# Allegro board Notecarrier-AE PCB v1.7.brd (continued)
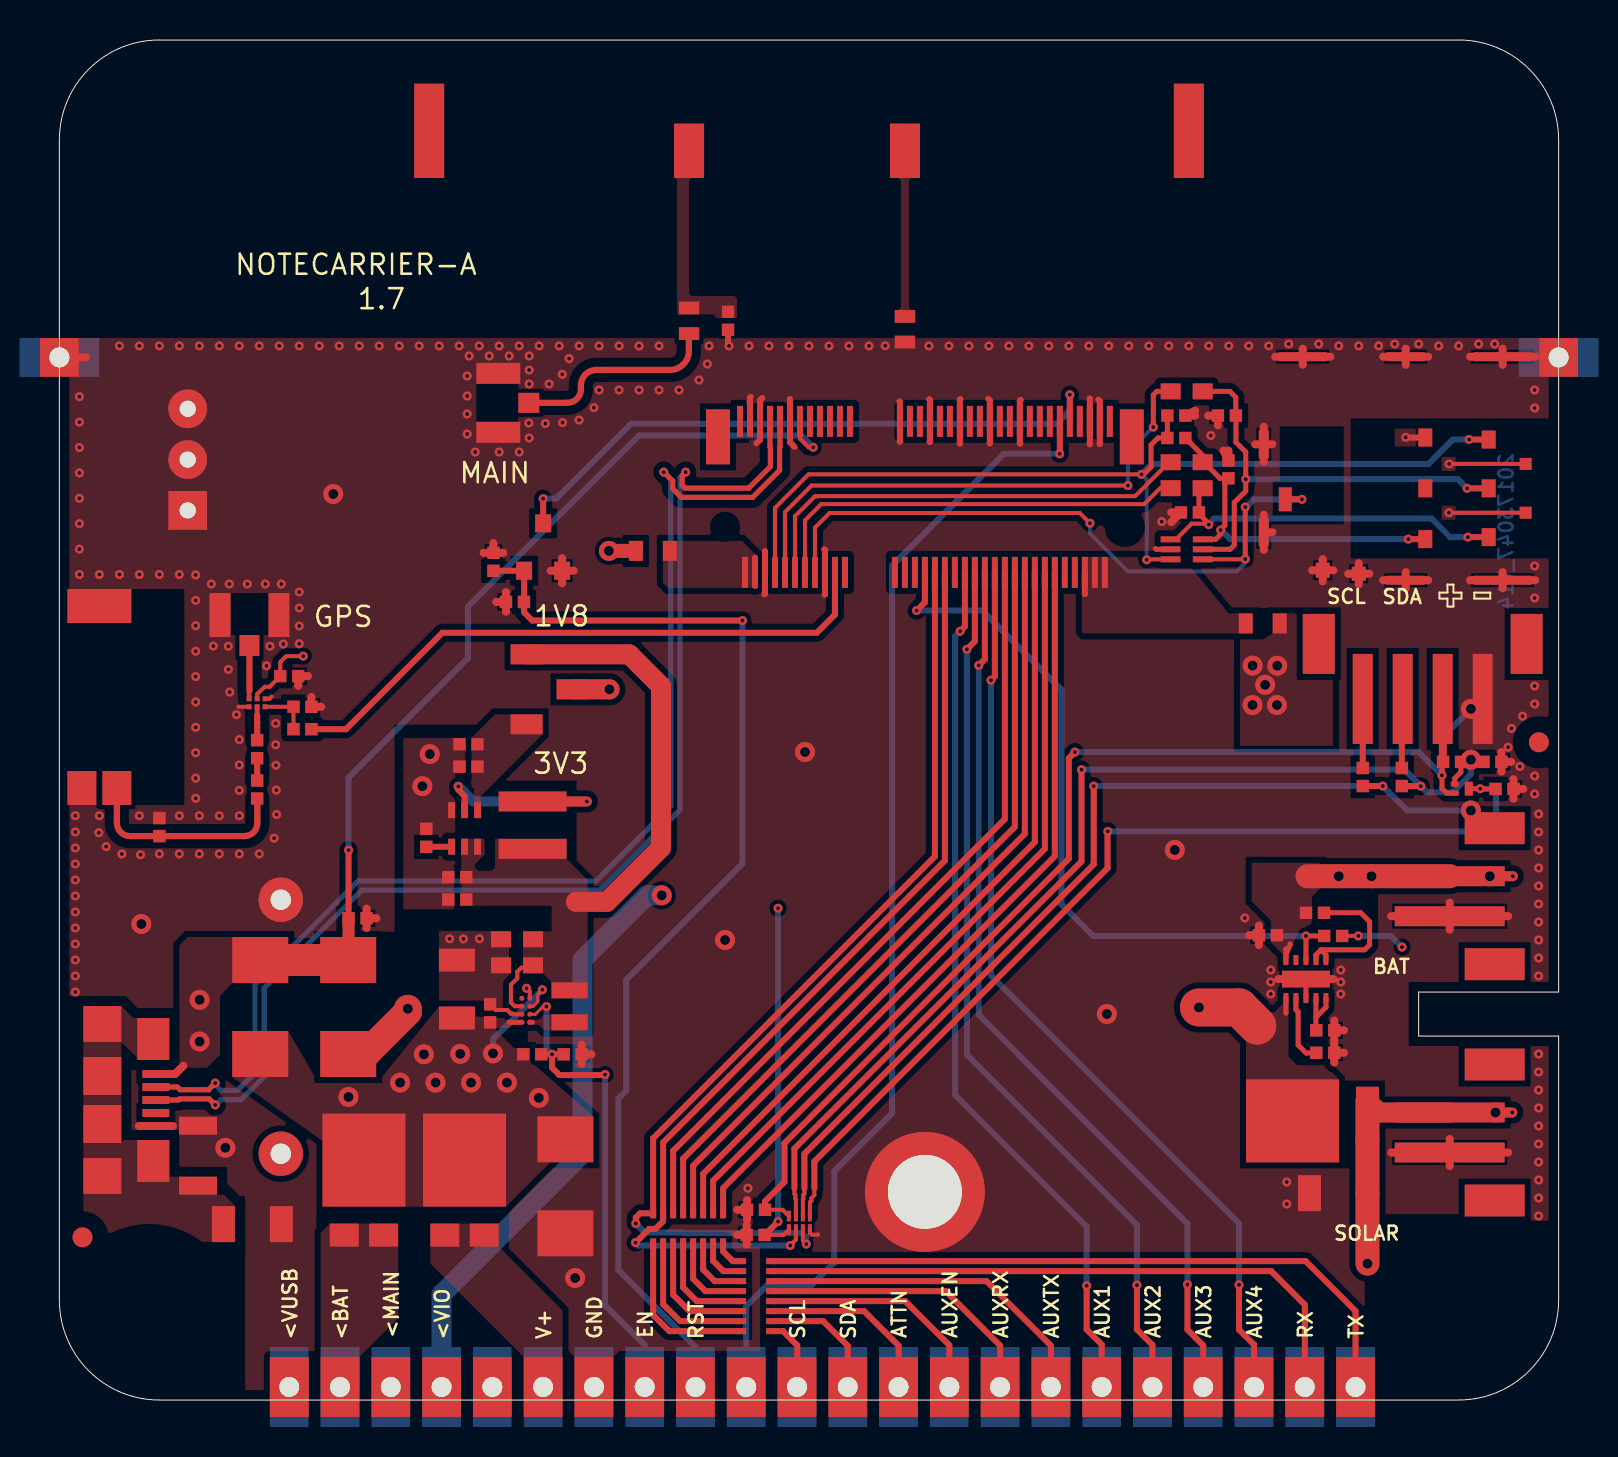
[diagram p0: board, top side]
## Library data of the parts
ANT1 = ANT - W3796 - LTE: room: LTE ANTENNA
ANT2 = ANT - W3010 - GPS-GLONASS: room: GPS ANTENNA
BAT1 = PORTA BATTERIA 3xAA - 2464: room: 3xAA BATTERY
C1 = CS-C-1206-47u/16V-X5R: room: DC-DC 1V8
C2 = CS-C-0402-4.7u/6V3-X5R: room: DC-DC 1V8
C3 C4 = CS-C-0603-10u/10V-X5R: room: DC-DC 1V8
C5 = CS-C-0402-100n/16V: room: DC-DC 1V8
C6 C9 = CS-C-0402-100n/16V: room: DC-DC 3V3
C7 C8 = CS-C-0402-10u/6V3-X5R: room: DC-DC 3V3
C10 = CS-C-0402-100n/16V: room: USB
C11 = CS-C-1206-10n/1kV: room: USB
C12 = CS-C-1206-10u/25V-X5R: room: SOLAR BATTERY CHARGER
C13 = CS-C-0402-1u/16-X5R: room: SOLAR BATTERY CHARGER
C14 C15 = CS-C-0402-100n/16V: room: GROVE
C16 = CS-C-0402-100n/16V: room: NANO-SIM
C17-C19 = CS-C-0402-33p/50V-C0G: room: NANO-SIM
C20 = CS-C-0402-0.5p/50V-C0G: room: LTE ANTENNA
C21 = CS-C-0402-1n/50V: room: GPS ANTENNA
C22 = CS-C-0402-1u/16-X5R: room: GPS ANTENNA
C23 = CS-C-0402-100n/16V: room: M2 CONNECTOR
C24 = CS-C-0402-3.3p/50V-C0G: room: GPS ANTENNA
DS2 = SCHOTTKY - FSV1045V - 10A/45V: room: INPUT
DS3 = SCHOTTKY - FSV1045V - 10A/45V: room: 3xAA BATTERY
DS4 = SCHOTTKY-STPS3H100U - 3A/100V: room: USB
DS5 = SCHOTTKY-STPS3H100U - 3A/100V: room: SOLAR BATTERY CHARGER
DS6 = SCHOTTKY - FSV1045V - 10A/45V: room: SOLAR BATTERY CHARGER
F1 = RAPIDO - SF-0603F150-2-1.5A/32V: room: M2 CONNECTOR
F2 = RAPIDO - 0603SFV350F- 3.5A/32V: room: M2 CONNECTOR
FID1 FID2 = FIDUCIAL
J1 = GROVE - J-4-0200-MDS-GROVE
J2 = USB - uUSB-B-10118192-0002LF: room: USB
J3 J4 = PH - J-2-0200-MDS-B2B-PH-SM4: room: SOLAR BATTERY CHARGER
J5 = NANOSIM - J-NANOSIM-SF72S006VBA: room: NANO-SIM
J6 = AMPHENOL-75 - M-2 KEY E_13: room: M2 CONNECTOR
J7 = UFL - U-FL-R-SMT-1-10: room: LTE ANTENNA
J8 = UFL - U-FL-R-SMT-1-10: room: GPS ANTENNA
J9 = STRIP-J-22-0254-FDT-H0508
J10 = STRIP-J-3-0254-FDT-H0508
L1 = PW-XFL4020-222ME - 2.2u/3.1A: room: DC-DC 3V3
L2 = L - 1285AS-H-2R2M=P2-2.2u/1.5A: room: DC-DC 1V8
L3 = L - 0603CS-4N3XJLW-4.3n/0.7A: room: LTE ANTENNA
L4 = L - 0603CS-6N8XJLU-6.8n/0.7A: room: LTE ANTENNA
L5 = L - LQW15AN7N5H00D - 7.5n/0.57A: room: GPS ANTENNA
OBJ1 = DISTANZIALE - M2.5x0250
PAD1 PAD2 = CASTELLATED PAD - 0100
Q1 = NMOS - AO3420 - 6A/20V: room: M2 CONNECTOR
Q2 = PMOS - BSS84AKM-315 - 0.23A/50V: room: GROVE
R1 = RS-0402-10M/5%
R4 = RS-0402-82k: room: DC-DC 3V3
R5 = RS-1206-1M: room: USB
R6 R8 R10 = RS-0402-10k: room: SOLAR BATTERY CHARGER
R9 = RS-0402-470r: room: SOLAR BATTERY CHARGER
R11 R13 = RS-0402-100r: room: GROVE
R12 R14 R15 = RS-0402-22r: room: NANO-SIM
R16 = RS-0402-15k: room: NANO-SIM
R17 R24 = RS-0402-100k: room: GROVE
R18 = RS-0402-200k
R21 = RS-0402-1k: room: M2 CONNECTOR
R22 = RS-0402-100k: room: GPS ANTENNA
R23 = RS-0402-15k: room: GROVE
RR1 RR2 = RR-8X-1506-100r/5%: room: M2 CONNECTOR
SW1 = SW-SPDT - CJS-1200TA: room: POWER SWITCH
TVS1 = TVS-UNI - SM6T6V8A - 6.8V/600W: room: INPUT
TVS2 = TVS-UNI5x - ESDLC5V0M5-TP - 5V: room: NANO-SIM
U1 = BUCK - TPS62748YFPT - 0.3A/ADJ: room: DC-DC 1V8
U2 = BOOST -  MAX17225ELT - 0.5A/ADJ: room: DC-DC 3V3
U3 = BAT-CHARGE - BQ24210DQCT: room: SOLAR BATTERY CHARGER
U4 = LEVEL SHIFTER-2x - TXS0102DQER: room: GROVE
U5 = LNA-RF - BGA725L6E6327FTSA1: room: GPS ANTENNA

## Footprints (pads in the part's own frame, mm; a bottom-side part is the same pattern mirrored in y, then rotated)
ANT-W3010
  rect 1.7x1.45 smd: 1(4.55,0.875) 2(4.55,-0.875)
  rect 1.7x3.2 smd: 3(-4.55,0)
ANT-W3796
  rect 1.5x4.72 smd: 1(1,-4.34) 4(39,-4.34)
  rect 1.5x2.72 smd: 2(14,-5.34) 3(24.8,-5.34)
BATHLD-2464-NO_MECH
  round 2.22 hole 1.02: 1(26.405,-14.925) 2(26.405,-2.225)
CS-C-0402
  rect 0.62x0.62 smd: 1(-0.45,0) 2(0.45,0)
CS-C-0603
  rect 1x0.8 smd: 1(-0.8,0) 2(0.8,0)
CS-C-1206
  rect 1.15x1.8 smd: 1(-1.5,0) 2(1.4,0)
DIST-WASMSIM0250
  round 6 hole 3.7: 1(0,0)
FIDUCIAL
  round 1 smd: 1(0,0)
FS-0603
  rect 0.7x1 smd: 1(-0.85,0) 2(0.85,0)
J-2-0200-MDS-B2B-PH-SM4
  rect 1.6x3 smd: (-5.4,2.25) (1.4,2.25)
  rect 1x5.5 smd: 1(-3,0) 2(-1,0)
J-3-0254-FDT-H0508
  rect 1.94x1.94 hole 0.81: 1(-2.54,0)
  round 1.94 hole 0.81: 2(0,0) 3(2.54,0)
J-3-MDS-UFL
  rect 1x1.05 smd: 1(0,-1.525)
  rect 1.05x2.2 smd: 2(-1.475,0) 3(1.475,0)
J-4-0200-MDS-GROVE
  rect 1.6x3 smd: (-5.2,-1.75) (5.2,-1.75)
  rect 1x4.5 smd: 1(3,1) 2(1,1) 3(-1,1) 4(-3,1)
J-5-0065-FOS-USB10118192-NOF
  rect 0.4x1.35 smd: 1(-1.3,0.125) 2(-0.65,0.125) 3(0,0.125) 4(0.65,0.125) 5(1.3,0.125)
  rect 2.1x1.6 smd: 6(-3.05,0) 7(3.05,0)
  rect 1.9x1.9 smd: 8(-1.2,-2.55) 9(1.2,-2.55)
  rect 1.8x1.9 smd: 10(-3.8,-2.55) 11(3.8,-2.55)
J-22-0254-FDT-H0508_EDGE
  rect 1.94x3 hole 1: 1(-26.67,-0.65) 2(-24.13,-0.65) 3(-21.59,-0.65) 4(-19.05,-0.65) 5(-16.51,-0.65) 6(-13.97,-0.65) 7(-11.43,-0.65) 8(-8.89,-0.65) 9(-6.35,-0.65) 10(-3.81,-0.65) 11(-1.27,-0.65) 12(1.27,-0.65) 13(3.81,-0.65) 14(6.35,-0.65) 15(8.89,-0.65) 16(11.43,-0.65) 17(13.97,-0.65) 18(16.51,-0.65) 19(19.05,-0.65) 20(21.59,-0.65) 21(24.13,-0.65) 22(26.67,-0.65)
J-75-0050-MOS-M2-E
  rect 1.2x2.75 smd: (-10.35,4.5) (10.35,4.5)
  round 0 hole 1.1 unplated: (-10,0)
  round 0 hole 1.6 unplated: (10,0)
  rect 0.3x1.55 smd: 1(-9.25,5.275) 2(-9,-2.275) 3(-8.75,5.275) 4(-8.5,-2.275) 5(-8.25,5.275) 6(-8,-2.275) 7(-7.75,5.275) 8(-7.5,-2.275) 9(-7.25,5.275) 10(-7,-2.275) 11(-6.75,5.275) 12(-6.5,-2.275) 13(-6.25,5.275) 14(-6,-2.275) 15(-5.75,5.275) 16(-5.5,-2.275) 17(-5.25,5.275) 18(-5,-2.275) 19(-4.75,5.275) 20(-4.5,-2.275) 21(-4.25,5.275) 22(-4,-2.275) 23(-3.75,5.275) 32(-1.5,-2.275) 33(-1.25,5.275) 34(-1,-2.275) 35(-0.75,5.275) 36(-0.5,-2.275) 37(-0.25,5.275) 38(0,-2.275) 39(0.25,5.275) 40(0.5,-2.275) 41(0.75,5.275) 42(1,-2.275) 43(1.25,5.275) 44(1.5,-2.275) 45(1.75,5.275) 46(2,-2.275) 47(2.25,5.275) 48(2.5,-2.275) 49(2.75,5.275) 50(3,-2.275) 51(3.25,5.275) 52(3.5,-2.275) 53(3.75,5.275) 54(4,-2.275) 55(4.25,5.275) 56(4.5,-2.275) 57(4.75,5.275) 58(5,-2.275) 59(5.25,5.275) 60(5.5,-2.275) 61(5.75,5.275) 62(6,-2.275) 63(6.25,5.275) 64(6.5,-2.275) 65(6.75,5.275) 66(7,-2.275) 67(7.25,5.275) 68(7.5,-2.275) 69(7.75,5.275) 70(8,-2.275) 71(8.25,5.275) 72(8.5,-2.275) 73(8.75,5.275) 74(9,-2.275) 75(9.25,5.275)
J-NANOSIM-SF72S006VBA
  rect 0.9x0.7 smd: 1(2.99,-10.175) 2(0.55,-10.175) 3(-1.89,-10.175) 5(3.09,-7.005) 6(0.55,-7.005) 7(-1.99,-7.005)
  rect 0.45x2.9 smd: 8(-4.045,-10.875) 17(7.13,-10.875)
  rect 0.45x1.9 smd: 9(-4.045,-6.025) 16(7.13,-6.025)
  rect 0.7x0.7 smd: 10(-3.72,-3.675)
  rect 0.75x0.7 smd: 11(-3.545,-1.875)
  rect 1.4x0.5 smd: 12(-1.65,1.075) 14(2.75,1.075)
  rect 1.2x0.65 smd: 13(0,0)
  rect 0.45x2.4 smd: 15(7.13,-0.875)
  rect 0.6x0.6 smd: 18(1.77,-12.025) 19(-0.67,-12.025)
LS-0402
  rect 0.62x0.62 smd: 1(-0.45,0) 2(0.45,0)
LS-0603CS
  rect 1.02x0.64 smd: 1(0,0.64) 2(0,-0.64)
LS-0806
  rect 0.8x1.8 smd: 1(-0.8,0) 2(0.8,0)
LS-XFL4020
  rect 1x3.4 smd: 1(-1.185,0) 2(1.185,0)
PAD-THT-CAS-0100
  rect 1.94x1.94 hole 1: 1(0,0)
RR-8X-1506
  rect 0.3x0.5 smd: 1(-1.75,-0.75) 2(-1.25,-0.75) 3(-0.75,-0.75) 4(-0.25,-0.75) 5(0.25,-0.75) 6(0.75,-0.75) 7(1.25,-0.75) 8(1.75,-0.75) 9(1.75,0.75) 10(1.25,0.75) 11(0.75,0.75) 12(0.25,0.75) 13(-0.25,0.75) 14(-0.75,0.75) 15(-1.25,0.75) 16(-1.75,0.75)
RS-0402
  rect 0.62x0.62 smd: 1(-0.45,0) 2(0.45,0)
RS-0603
  rect 1x0.8 smd: 1(-0.8,0) 2(0.8,0)
RS-1206
  rect 0.9x1.9 smd: 1(-1.5,0) 2(1.5,0)
SMB
  rect 2.3x2.8 smd: 1(0,0) 2(4.7,0)
SOT23
  rect 0.9x0.8 smd: 1(0,0) 2(0,1.9) 3(-2.37,0.95)
SOT666
  rect 0.3x0.99 smd: 1(-0.5,-0.805) 2(0,-0.805) 3(0.5,-0.805) 4(0.5,0.805) 5(0,0.805) 6(-0.5,0.805)
SW-CJS1200TA
  rect 1x1.6 smd: 1(-1.75,-1.15) 2(0,1.15) 3(1.75,-1.15)
TO277-3
  rect 1.45x1.15 smd: 1(0.985,-2.75) 2(-0.985,-2.75)
  rect 4.15x4.65 smd: 3(0,1)
UFDFN3
  rect 0.4x0.25 smd: 1(-0.35,0.225) 2(-0.35,-0.225)
  rect 0.4x0.7 smd: 3(0.35,0)
unnamed#2
  round 0 hole 3.3 unplated: (0,0)
WDFN6-0200X0200
  rect 0.8x0.35 smd: 1(-0.915,0.65) 2(-0.915,0) 3(-0.915,-0.65) 4(0.915,-0.65) 5(0.915,0) 6(0.915,0.65)
WSON10-EXP
  rect 0.5x0.25 smd: 1(-0.95,1) 2(-0.95,0.5) 3(-0.95,0) 4(-0.95,-0.5) 5(-0.95,-1) 6(0.95,-1) 7(0.95,-0.5) 8(0.95,0) 9(0.95,0.5) 10(0.95,1)
  rect 0.84x2.4 smd: 11(0,0)
XFBGA8
  round 0.25 smd: A1(0.2,-0.6) A2(-0.2,-0.6) B1(0.2,-0.2) B2(-0.2,-0.2) C1(0.2,0.2) C2(-0.2,0.2) D1(0.2,0.6) D2(-0.2,0.6)
XFDFN6
  rect 0.25x0.25 smd: 1(0.4,0.2) 2(0,0.2) 3(-0.4,0.2) 4(-0.4,-0.2) 5(0,-0.2) 6(0.4,-0.2)
XFDFN8
  rect 0.53x0.2 smd: 1(0,0) 2(0,-0.35) 3(0,-0.7) 4(0,-1.05) 5(0.67,-1.05) 6(0.67,-0.7) 7(0.67,-0.35) 8(0.67,0)

## Nets
+1V8: C3.1 C4.1 C8.1 C9.1 L1.2 L2.2 SW1.1 U1.C2 U2.5 U2.6
+3V3: C6.1 C7.1 SW1.3 U2.1
GND: ANT2.2 ANT2.3(GND#3) BAT1.2(-) C1.2 C2.2 C3.2 C4.2 C5.2 C6.2 C7.2 C8.2 C9.2 C10.2 C11.2 C12.2 C13.2 C14.2 C15.2 C16.2 C17.2 C18.2 C19.2 C20.2 C22.2 C23.2 C24.2 J1.4 J2.5 J3.2 J4.2 J5.5 J5.8 J5.9 J5.10 J5.11 J5.12 J5.14 J5.15 J5.16 J5.17 J5.18 J5.19 J6.3 J6.5 J6.6 J6.11 J6.18 J6.33 J6.39 J6.45 J6.51 J6.57 J6.71 J6.73 J7.2 J7.3 J8.2 J8.3 J9.7 J10.1 J10.2 J10.3 L4.2 OBJ1.1 PAD1.1 PAD2.1 Q1.2(S) R4.1 R5.2 R9.1 R10.1 R17.1 R21.1 R22.1 R23.1 TVS1.2 TVS2.2 U1.B2 U1.D1 U2.3 U3.3 U3.11 U4.4 U5.1 U5.4
VBAT: BAT1.1 C13.1 DS3.1 DS3.2 J4.1 J9.2 R8.2 U3.10
ATTN: J9.13 RR1.3
ATTN_P: J6.54 RR2.14
AUX1: J6.46 J9.17
AUX2: J6.48 J9.18
AUX3: J6.50 J9.19
AUX4: J6.52 J9.20
AUX5: J6.38 R6.1 U3.8
AUX_EN: J9.14 RR1.4
AUX_EN_P: J6.56 RR2.13
AUX_RX: J9.15 RR1.5
AUX_RX_P: J6.58 RR2.12
AUX_TX: J9.16 RR1.6
AUX_TX_P: J6.60 RR2.11
BOOT: J6.65 J9.10
EN: C5.1 J9.8 R1.1 U1.B1
NRST: J6.67 Q1.3
RST: C23.1 J9.9 Q1.1 R21.2
RX: J9.21 RR1.7
RX_P: J6.62 RR2.10
SCL: J9.11 RR1.1
SCL_G: J1.1 R13.2
SCL_P: J6.40 RR2.16 U4.3
SDA: J9.12 RR1.2
SDA_G: J1.2 R11.2
SDA_P: J6.42 RR2.15 U4.2
SIM_CLK: J6.14 R14.1
SIM_IO: J6.12 R12.1
SIM_NPRESENT: J5.13 J6.16 TVS2.4
SIM_RST: J6.10 R15.1
SIM_VCC: C16.1 J5.1 J6.8 R16.2 TVS2.3
TX: J9.22 RR1.8
TX_P: J6.64 RR2.9
USB_DM: J2.2 J6.9
USB_DP: J2.3 J6.7
USB_SHIELD: C11.1 J2.6 J2.7 J2.8 J2.9 J2.10 J2.11 R5.1
V+: DS2.1 DS2.2 J9.6
V_GROVE: C15.1 J1.3 Q2.2(S) R24.2 U4.8(VCCB)
VACT_GPS_OUT: J6.20 R18.2
VIO: C14.1 C22.1 F1.1 J9.4 R6.2 SW1.2 U4.1 U5.2(VCC)
VIO_P: F1.2 J6.2 J6.4
VMAIN: C1.1 C2.1 DS2.3(C) DS3.3(C) DS4.1(C) F2.1 J9.3 R1.2 TVS1.1(C) U1.A2 U1.C1(VSEL)
VMODEM_P: F2.2 J6.70 J6.72 J6.74
VSOLAR: C12.1 DS6.1 DS6.2 J3.1 J9.5
VUSB: C10.1 DS4.2 DS5.2 J2.1(VCC) J6.13(VUSB) J9.1
N16805399: J7.1 L3.1(C)
N16805402: ANT1.2 C20.1 L3.2
N16805626: ANT1.3 L4.1(C)
N16810299: ANT2.1 C21.2 C24.1
N16811696: C21.1 L5.2
N16811747: J8.1 U5.3
N16813049: L5.1(C) U5.5
N16816781: R18.1 R22.2 U5.6
N16924472: RR1.16 RR2.1
N16924474: RR1.15 RR2.2
N16924476: RR1.14 RR2.3
N16924478: RR1.13 RR2.4
N16924480: RR1.12 RR2.5
N16924482: RR1.11 RR2.6
N16924484: RR1.10 RR2.7
N16924486: RR1.9 RR2.8
N17010587: R13.1 U4.6
N17010598: R11.1 U4.7
N17096523: C19.1 J5.7 R12.2 R16.1 TVS2.6(C6)
N17096527: C17.1 J5.2 R15.2 TVS2.5
N17096550: C18.1 J5.3 R14.2 TVS2.1
N17177038: Q2.3 R17.2 U4.5
N17180171: L1.1 U2.2
N17180221: L2.1(C) U1.A1
N17180308: R4.2 U2.4(SEL)
N17197331: Q2.1 R23.2 R24.1
N17244572: DS5.1(C) DS6.3(C) U3.1
N17244690: R9.2 U3.2
N17244706: R10.2 U3.4(VTSB) U3.5
N17244710: R8.1 U3.6 U3.7

Pads without a net: ANT1 1 4; FID1 1; FID2 1; J2 4; J5 6; J6 1 15 17 19 21 22 23 32 34 35 36 37 41 43 44 47 49 53 55 59 61 63 66 68 69 75; U1 D2; U3 9

## Via types
v1: diameter 1, hole 0.5, TOP to BOTTOM, 39 vias
v2: diameter 0.45, hole 0.2, TOP to BOTTOM, 284 vias

## Routing (per net, layer and track width the routed paths; a pad name or vN(x,y) marks a point on that pad's centre or on a via; arc(x,y) is an arc through that point)
+1V8: length 24
  TOP w0.2: C3.1 23.57,21.61 23.11,21.61 22.91,21.41 22.91,21.08 22.59,20.77 22.59,19.88 22.78,19.69 U1.C2
  TOP w1: SW1.1 28.51,37.28 30.09,35.7 30.09,27.61 27.39,24.91 25.84,24.91
GND: length 113.6
  TOP w0.2: C2.2 21.83,19.5 22.4,19.5 22.59,19.32 22.68,19.32 22.72,19.29 U1.B2 ; 10.62,35.17 10.51,35.06 U5.1 ; U1.D1 23.53,20.42 v2(23.37,20.59) ; 8.96,34.67 8.97,34.66 U5.4 ; 69.5,44.36 v2(69.51,44.36) J5.19 ; J5.18 69.52,46.8 v2(69.52,46.81) ; U4.4 37.55,8.36 37.65,8.26 37.93,8.26 37.95,8.27
  TOP w0.25: TVS2.2 54.87,42.53 54.84,42.57 ; U3.3 U3.11
  TOP w0.3: v2(67.35,48.13) 67.36,48.12 J5.5 ; 42.03,47.91 42.05,47.93 J6.33 42.05,49.91 42.02,49.93 ; 34.55,49.89 34.55,50.12 34.59,50.16 ; 34.55,49.89 J6.3 ; 34.55,49.89 34.52,49.92 ; 43.51,50.04 43.55,50.01 J6.39 43.55,47.91 43.54,47.9 ; 46.55,47.83 46.55,47.84 J6.51 46.55,49.98 46.47,50.06 ; 51.97,50.02 52.05,49.95 J6.73 52.05,47.8 52.04,47.79 ; 45.08,50.04 45.05,50.02 J6.45 45.05,47.83 45.04,47.82 ; 51.55,50.07 51.55,50.07 J6.71 51.55,47.79 51.55,47.78 ; 38.29,40.27 38.3,40.28 J6.18 38.3,42.5 38.26,42.53 ; 35.3,42.45 J6.6 35.3,40.32 35.27,40.28 ; 36.78,47.65 36.55,47.88 J6.11 36.55,50.04 36.54,50.04 ; 48.1,50.01 48.05,49.96 J6.57 48.05,47.84 48.07,47.81 ; 35.16,50.1 35.05,49.99 J6.5 35.05,48.02 34.87,47.84 ; C20.2 33.45,52.79 33.46,52.78
  TOP w0.4: 60.25,42.51 J5.12 ; J5.12 60.68,43.38 ; J5.12 60.25,44.26 ; 56.81,49.22 C16.2 56.81,49.46 ; R23.1 72.63,31.91 ; R23.1 72.14,31.42 ; R23.1 72.14,32.4 ; R10.1 64.26,18.48 ; R10.1 63.78,18.97 ; R10.1 63.78,17.99 ; PAD1.1 74.29,52.13 74.28,52.12 ; C5.2 26.62,17.29 ; C5.2 26.13,17.77 ; C5.2 26.13,16.8 ; J5.16 68.48,52.16 ; J5.16 67.35,51.76 ; J5.16 67.35,52.57 ; J5.16 66.22,52.16 ; 63.2,40.94 J5.11 ; J5.11 63.2,42.04 ; J5.11 62.67,41.49 ; J5.11 63.73,41.49 ; 64.47,41.31 J5.10 ; J5.10 65,41.84 ; J5.10 65.53,41.31 ; J5.10 65,40.79 ; 57.96,48.73 C17.2 57.47,49.22 ; 15.37,23.6 C10.2 ; C10.2 15.86,24.09 ; C10.2 15.37,24.57 ; C14.2 34.38,8.74 ; C14.2 33.89,8.26 ; C14.2 34.38,7.77 ; PAD2.1 1.32,52.13 1.32,52.13 ; 21.85,39.9 C23.2 ; C23.2 22.34,39.42 ; C23.2 22.34,40.39 ; 60.01,22.75 C13.2 ; C13.2 60.01,23.72 ; C13.2 59.52,23.24 ; R21.1 22.2,42.36 ; R21.1 21.71,42.85 ; R21.1 21.23,42.36 ; 72.2,51.76 J5.17 ; J5.17 70.57,52.16 ; J5.17 72.2,52.57 ; J5.17 73.83,52.16 ; 12.44,36.2 C22.2 11.95,35.71 ; J5.9 67.35,41.39 ; J5.9 67.35,40.59 ; J5.9 66.22,40.99 ; J5.9 68.48,40.99 ; R9.1 63.78,17.85 ; R9.1 64.26,17.36 ; R9.1 63.78,16.87 ; 66.62,24.19 J4.2 ; J4.2 69.55,24.87 ; J4.2 72.48,24.19 ; J4.2 69.55,23.51 ; 55.62,43.89 C18.2 55.62,44.38 ; 72.74,30.06 R17.1 ; R17.1 73.23,30.55 ; R17.1 72.74,31.04 ; J5.15 62.2,52.57 ; J5.15 63.58,52.16 ; J5.15 62.2,51.76 ; J5.15 60.82,52.16 ; 66.62,12.37 J3.2 ; J3.2 69.55,11.7 ; J3.2 72.48,12.37 ; J3.2 69.55,13.05 ; 63.74,21.05 U3.11 60.98,21.05 ; 72.2,40.59 J5.8 ; J5.8 73.83,40.99 ; J5.8 70.57,40.99 ; J5.8 72.2,41.39 ; 5.68,13.7 J2.5 3.97,13.7 ; 33.91,9.51 C15.2 ; C15.2 34.4,9.02 ; C15.2 34.4,10 ; 60.25,46.91 J5.14 ; J5.14 60.25,48.66 ; J5.14 60.68,47.78 ; J5.14 59.82,47.78 ; 58.48,47.47 C19.2 58.24,47.47 ; 25.15,40.84 Q1.2 ; Q1.2 24.57,41.46 ; Q1.2 25.15,42.09 ; Q1.2 25.73,41.46 ; 12.61,35.15 R22.1 13.1,34.66
  vias: v1(4.1,23.8) v1(8.3,12.61) v1(13.7,45.3) v1(18.16,30.69) v1(18.53,32.3) v1(25.8,6.1) v1(33.3,23) v1(37.3,32.4) v1(52.4,19.3) v1(55.8,27.5) v2(0.8,29.21) v2(0.8,28.4) v2(0.8,27.6) v2(0.8,26.8) v2(0.8,26) v2(0.8,25.2) v2(0.8,24.4) v2(0.8,23.6) v2(0.8,22.8) v2(0.8,22) v2(0.8,21.2) v2(0.8,20.4) v2(1,50.16) v2(1,48.9) v2(1,47.62) v2(1,46.35) v2(1,45.09) v2(1,43.81) v2(1,42.55) v2(1,41.27) v2(2,41.27) v2(2,29.21) v2(1.98,28.36) v2(2.34,27.67) v2(3,52.7) v2(3,41.27) v2(3.13,27.3) v2(4,52.7) v2(4,41.27) v2(4,29.21) v2(4.06,27.26) v2(5,52.7) v2(5,41.27) v2(5,27.3) v2(6,52.7) v2(6,41.27) v2(6,29.21) v2(6,27.3) v2(6.82,41.25) v2(6.82,39.98) v2(6.82,38.71) v2(6.82,37.44) v2(6.82,36.17) v2(6.82,34.9) v2(6.82,33.63) v2(6.82,32.36) v2(6.82,31.09) v2(6.82,30.09) v2(7,52.7) v2(7,29.21) v2(7,27.3) v2(7.6,40.8) v2(7.7,37.7) v2(8,52.7) v2(8,29.21) v2(8,27.3) v2(8.5,40.8) v2(8.45,37.69) v2(8.45,36.53) v2(8.52,35.4) v2(8.86,34.26) v2(9,52.7) v2(9,33.02) v2(9,31.75) v2(9,30.48) v2(9,29.21) v2(9,27.3) v2(9.4,40.8) v2(10,52.7) v2(10,27.3) v2(10.3,40.8) v2(10.36,36.7) v2(10.53,37.69) v2(10.74,28.09) v2(10.82,33.83) v2(10.82,32.76) v2(10.83,31.74) v2(10.85,30.5) v2(10.87,29.28) v2(11,52.7) v2(11.1,40.8) v2(11.2,37.8) v2(12,52.7) v2(12,40.4) v2(12,39.6) v2(12,38.7) v2(12,37.81) v2(13,52.7) v2(14,52.7) v2(15,52.7) v2(16,52.7) v2(17,52.7) v2(18,52.7) v2(19,52.7) v2(19.52,23.06) v2(20,52.7) v2(20.21,23.06) v2(20.4,51.2) v2(20.4,50.2) v2(20.4,49.3) v2(20.4,48.3) v2(20.5,52.2) v2(20.8,47.4) v2(21,52.7) v2(21.01,23.06) v2(21.5,52.2) v2(22,52.7) v2(22,47.4) v2(22.5,52.2) v2(23,52.7) v2(23,47.4) v2(23.5,52.2) v2(23.5,51.5) v2(23.5,50.8) v2(23.48,48.85) v2(23.5,48.1) v2(24,52.7) v2(24.31,48.82) v2(24.5,50.8) v2(25,52.7) v2(25.16,51.28) v2(25.17,48.87) v2(25.5,52.07) v2(26,52.7) v2(26,49) v2(26.74,49.62) v2(27,52.7) v2(27,50.5) v2(28,52.7) v2(28,50.5) v2(29,52.7) v2(29,50.5) v2(30,52.7) v2(30,50.5) v2(31,50.5) v2(32,51) v2(32.42,51.8) v2(32.5,52.7) v2(33.5,52.7) v2(34.45,10.59) v2(34.5,52.7) v2(35.5,52.7) v2(36.5,52.7) v2(37.5,52.7) v2(38.5,52.7) v2(39.5,52.7) v2(40.5,52.7) v2(41.31,52.71) v2(43.5,52.7) v2(44.5,52.7) v2(45.5,52.7) v2(46.5,52.7) v2(47.5,52.7) v2(48.5,52.7) v2(49.5,52.7) v2(50.5,52.7) v2(51.5,52.7) v2(52.5,52.7) v2(53.5,52.7) v2(54.5,52.7) v2(55.15,43.92) v2(55.5,52.7) v2(56.5,52.7) v2(57.5,52.7) v2(57.6,48.22) v2(58.5,52.7) v2(59.3,24.1) v2(59.5,52.7) v2(60.5,52.7) v2(60.6,21.5) v2(60.6,20.9) v2(60.6,20.3) v2(61.4,10.9) v2(61.4,9.8) v2(61.5,52.8) v2(63,52.8) v2(64,52.7) v2(64.1,21.5) v2(64.1,20.9) v2(64.1,20.3) v2(65,52.7) v2(66,52.7) v2(66.8,52.8) v2(68,52.8) v2(69,52.7) v2(70,52.7) v2(71,52.8) v2(71.8,52.8) v2(72.47,32.64) v2(72.64,33.58) v2(73.06,31.68) v2(73.2,34.19) v2(73.8,50.5) v2(73.8,49.6) v2(73.8,41.7) v2(73.8,40.1) v2(73.8,35.7) v2(73.8,34.8) v2(73.8,31.2) v2(73.8,30.3) v2(74,29.3) v2(74,28.4) v2(74,27.5) v2(74,26.6) v2(74,25.7) v2(74,24.8) v2(74,23.9) v2(74,23) v2(74,22.1) v2(74,21.2) v2(74,17.3) v2(74,16.4) v2(74,15.5) v2(74,14.6) v2(74,13.7) v2(74,12.8) v2(74,11.9) v2(74,11) v2(74,10.1) v2(74,9.2)
VBAT: length 25.4
  TOP w0.25: 61.36,22.55 61.36,22.55 61.36,22.34 ; 61.57,22.81 61.58,22.78 61.39,22.36 61.36,22.34 ; 61.36,22.34 U3.10
  TOP w0.5: J4.1 v2(72.71,26.19)
  TOP w1.2: J4.1 v1(65.64,26.19) v1(64,26.19) 62.44,26.19
  POWER w1.7: BAT1.1 14.04,9.35 J9.2
  BOTTOM w0.5: v2(72.71,26.19) v1(71.56,26.19)
ATTN: length 9.2
  TOP w0.3: RR1.3 40.26,4.44 41.98,2.72 J9.13
ATTN_P: length 38.9
  TOP w0.3: J6.54 47.3,29.05 30.7,12.45 RR2.14
AUX1: length 44
  TOP w0.3: J9.17 52.14,2.78 51.39,3.53 v2(51.39,5.71) ; J6.46 45.3,38.68 v2(45.06,38.44)
  BOTTOM w0.3: v2(45.06,38.44) 44.81,38.19 44.81,15.25 51.39,8.67 v2(51.39,5.71)
AUX2: length 44.7
  TOP w0.3: J9.18 54.68,2.75 53.9,3.53 v2(53.9,5.74) ; v2(45.4,37.53) 45.8,37.93 J6.48
  BOTTOM w0.3: v2(53.9,5.74) 53.9,8.76 45.4,17.27 v2(45.4,37.53)
AUX3: length 45.5
  TOP w0.3: J6.50 46.3,37.04 v2(45.99,36.73) ; J9.19 57.22,2.73 56.43,3.52 v2(56.43,5.78)
  BOTTOM w0.3: v2(56.43,5.78) 56.43,8.82 45.99,19.26 v2(45.99,36.73)
AUX4: length 46.3
  TOP w0.3: v2(46.6,35.99) 46.8,36.19 J6.52 ; v2(59.01,5.76) 59.01,3.52 59.76,2.77 J9.20
  BOTTOM w0.3: v2(46.6,35.99) 46.6,21.23 59.01,8.82 v2(59.01,5.76)
AUX5: length 36.7
  TOP w0.25: R6.1 62.36,23.2 v2(62.36,23.2) 62.36,23.16 62.36,23.16 U3.8
  TOP w0.3: v2(42.89,39.47) 43.3,39.89 J6.38
  BOTTOM w0.3: v2(42.89,39.47) 46.17,39.47 50.13,35.52 50.13,24.79 51.72,23.2 v2(62.36,23.2)
AUX_EN: length 11.9
  TOP w0.3: J9.14 44.52,0.65 44.52,2.74 42.31,4.94 RR1.4
AUX_EN_P: length 38.9
  TOP w0.3: RR2.13 31.2,12.07 47.8,28.66 J6.56
AUX_RX: length 14.7
  TOP w0.3: RR1.5 44.34,5.44 47.06,2.72 47.06,0.65 J9.15
AUX_RX_P: length 38.9
  TOP w0.3: RR2.12 31.7,11.71 48.3,28.31 J6.58
AUX_TX: length 17.4
  TOP w0.3: J9.16 49.6,0.65 49.6,2.72 46.38,5.94 RR1.6
AUX_TX_P: length 38.9
  TOP w0.3: J6.60 48.8,27.9 32.2,11.31 RR2.11
BOOT: length 57.7
  TOP w0.3: v2(50.04,47.31) 50.05,47.32 J6.65
  BOTTOM w0.3: J9.10 34.36,4.69 35.35,5.68 37.57,5.68 38.76,6.87 38.76,11.44 41.66,14.34 41.66,41.72 47.25,47.31 v2(50.04,47.31)
EN: length 24.5
  TOP w0.15: U1.B1 23.81,19.29 24.2,19.67 v2(24.37,19.67)
  TOP w0.3: v2(24.65,17.29) 24.65,16.62 25.02,16.25 27.27,16.25 v2(27.3,16.27) ; v2(24.65,17.29) R1.1 ; v2(24.65,17.29) C5.1
  BOTTOM w0.3: v2(24.37,19.67) 24.37,17.56 v2(24.65,17.29) ; J9.8 29.28,2.75 27.3,4.73 v2(27.3,16.27)
NRST: length 31.5
  TOP w0.3: J6.67 v2(50.55,50.26) ; Q1.3 v2(24.2,45.07)
  BOTTOM w0.3: v2(24.2,45.07) 24.85,45.07 28.59,48.81 49.88,48.81 50.55,49.47 v2(50.55,50.26)
RST: length 57.2
  TOP w0.3: R21.2 21.72,41.46 Q1.1 23.25,39.91 C23.1 23.24,39.39 23.66,38.97 v2(34.17,38.97)
  BOTTOM w0.3: v2(34.17,38.97) 34.17,26.82 28.35,21 28.35,15.46 27.96,15.06 27.96,6.51 31.82,2.65 J9.9
RX: length 31.5
  TOP w0.3: J9.21 62.3,0.65 62.3,4.76 60.62,6.44 RR1.7
RX_P: length 38.9
  TOP w0.3: RR2.10 32.7,10.96 49.3,27.56 J6.62
SCL: length 3.7
  TOP w0.3: RR1.1 36.2,3.44 36.91,2.73 36.91,0.66 J9.11
SCL_G: length 3.5
  TOP w0.3: J1.1 R13.2
SCL_P: length 49.1
  TOP w0.2: U4.3 37.2,7.96 v2(37.36,7.8)
  TOP w0.3: v2(28.84,8.82) 28.84,9.12 29.05,9.33 RR2.16 29.7,13.08 43.8,27.18 J6.40
  BOTTOM w0.3: v2(28.84,8.82) 29.29,8.37 31.21,8.37 31.23,8.35 37.16,8.35 37.36,8.14 v2(37.36,7.8)
SDA: length 6.4
  TOP w0.3: RR1.2 38.2,3.94 39.44,2.71 J9.12
SDA_G: length 3.5
  TOP w0.3: 67.21,35.06 J1.2 67.16,35.01 R11.2
SDA_P: length 48.8
  TOP w0.2: v2(36.56,7.72) 36.66,7.82 36.66,7.84 36.85,8.02 U4.2
  TOP w0.3: v2(28.82,7.87) 29.51,8.55 29.82,8.55 30.2,8.94 RR2.15 30.2,12.88 44.3,26.97 J6.42
  BOTTOM w0.3: v2(36.56,7.72) 28.97,7.72 v2(28.82,7.87)
SIM_CLK: length 21.6
  TOP w0.2: R14.1 55.06,45.59 54.27,44.79 38.11,44.79 37.3,43.98 J6.14
SIM_IO: length 22.7
  TOP w0.2: R12.1 55.51,46.89 53.81,45.19 37.94,45.19 37.94,45.19 37.79,45.19 36.8,44.19 J6.12
SIM_NPRESENT: length 34.6
  TOP w0.2: v2(59.32,42.05) 59.31,42.03 TVS2.4 ; J6.16 37.8,43.62 38.53,44.35 51.05,44.35 v2(51.55,43.84)
  TOP w0.25: v2(59.32,44.65) v2(59.32,42.05)
  TOP w0.3: J5.13 v2(62.16,45.03)
  BOTTOM w0.2: v2(51.55,43.84) 51.55,43.33 53.45,41.43 58.9,41.43 59.32,41.86 v2(59.32,42.05)
  BOTTOM w0.3: v2(59.32,44.65) 59.32,44.6 59.76,45.03 v2(62.16,45.03)
SIM_RST: length 26.7
  TOP w0.2: J6.10 36.3,44.4 37.62,45.72 53.45,45.72 v2(53.45,45.72)
  TOP w0.25: R15.1 54.9,50.43 54.72,50.25 v2(54.72,48.65)
  BOTTOM w0.2: v2(53.45,45.72) 53.45,47.37 v2(54.72,48.65)
SIM_VCC: length 49.7
  TOP w0.2: TVS2.3 54.42,42.03 v2(54.39,42.01) ; v2(54.14,46.28) 37.48,46.28 35.8,44.6 J6.8
  TOP w0.25: C16.1 R16.2 54.95,48.1 54.61,47.76 54.61,46.65 54.24,46.28 v2(54.14,46.28)
  TOP w0.3: J5.1 v2(70.52,48.02)
  BOTTOM w0.2: v2(54.39,42.01) 54.39,43.19 54.4,43.2 54.4,44.11 54.39,44.12 54.39,46.02 v2(54.14,46.28)
  BOTTOM w0.3: v2(54.14,46.28) 54.65,46.8 68.49,46.8 69.71,48.02 v2(70.52,48.02)
TX: length 34.1
  TOP w0.3: J9.22 64.84,4.45 62.35,6.94 RR1.8
TX_P: length 38.9
  TOP w0.3: J6.64 49.8,27.19 33.2,10.59 RR2.9
USB_DM: length 61
  TOP w0.26: v2(7.8,15.85) 7.8,15.85 7.46,15.51 6.04,15.51 5.9,15.65 J2.2 ; J6.9 36.05,47.66 36.03,47.64 36.03,46.48 34.68,45.13 31.11,45.13 30.68,45.57 30.68,45.95 v2(30.24,46.4)
  BOTTOM w0.26: v2(7.8,15.85) 7.8,15.76 8.08,15.48 8.91,15.48 9.79,16.36 9.79,20.79 14.94,25.95 26.84,25.95 30.58,29.7 30.58,46.05 v2(30.24,46.4)
USB_DP: length 60
  TOP w0.26: v2(7.8,14.75) 7.49,15.05 6.02,15.05 5.96,15 J2.3 ; J6.7 35.55,47.66 35.57,47.64 35.57,46.67 34.49,45.59 31.3,45.59 31.15,45.74 31.15,46.22 v2(31.33,46.4)
  BOTTOM w0.26: v2(7.8,14.75) 7.83,14.75 8.1,15.02 9.1,15.02 10.25,16.17 10.25,20.6 15.13,25.49 27.03,25.49 31.04,29.5 31.04,46.11 v2(31.33,46.4)
V_GROVE: length 58.7
  TOP w0.2: C15.1 36.18,9.51 U4.8 ; J1.3 69.21,35.06
  TOP w0.25: Q2.2 69.4,30.34 69.16,30.58 v2(69.16,31.23) 69.16,31.85 R24.2
  TOP w0.3: C15.1 35.3,9.93 36.27,10.9 36.27,12.84 50.5,27.07 50.5,32.09 v2(50.8,32.4)
  TOP w0.4: 69.21,35.06 69.21,31.92 R24.2
  BOTTOM w0.3: v2(50.8,32.4) 68,32.4 v2(69.16,31.23) 69.16,33.11 v1(70.61,34.56)
VACT_GPS_OUT: length 30.7
  TOP w0.3: J6.20 38.8,39.27 37.89,38.36 19.16,38.36 14.34,33.54 R18.2
VIO: length 57.7
  TOP w0.2: U4.1 36.22,8.26 35.28,8.26 ; v2(12.2,37.19) 11.35,37.19 11.05,36.9 C22.1 10.52,35.66 10.26,35.66 9.89,35.29 U5.2 ; R6.2 v2(64.98,23.2)
  TOP w0.3: v2(35.95,8.92) 35.28,8.26 C14.1
  TOP w0.7: F1.1 v1(27.49,42.46)
  TOP w1: SW1.2 v1(27.52,35.53)
  BOTTOM w0.3: v2(35.95,8.92) v2(35.95,24.59) ; v2(64.98,23.2) 66.61,23.2 v2(67.17,22.65)
  BOTTOM w1: J9.4 19.12,5.28 26.17,12.33 26.17,22.01 29.4,25.24 v1(30.13,25.24)
VIO_P: length 1.4
  TOP w0.3: 34.8,40.71 J6.4 34.8,42.12
VMAIN: length 9.1
  TOP w0.15: U1.C1 23.7,19.69 23.93,19.92 23.93,20.29 v2(24.16,20.51)
  TOP w0.2: 21.55,18.89 C2.1
  TOP w0.25: U1.A2 22.51,18.89 22.51,18.89
  POWER w1.9: J9.3 16.58,3.67 16.55,3.7
  BOTTOM w0.3: v1(21.69,17.33) 21.69,18.05 v2(24.16,20.51)
  vias: v1(14.46,15.15) v1(17.04,15.87) v1(18.23,17.28) v1(18.82,15.87) v1(20.05,17.31) v1(20.59,15.87) v1(22.39,15.87) v1(23.98,15.11) v1(59.69,36.72) v1(59.69,34.75) v1(60.32,35.76) v1(60.92,36.71) v1(60.91,34.75)
VMODEM_P: length 1.1
  TOP w0.3: J6.70 51.3,40.3 51.3,40.3
VSOLAR: length 65
  TOP w0.5: J3.1 v2(72.68,14.37)
  TOP w1: DS6.1 66,14.37 J3.1
  TOP w1.2: v1(65.44,6.82) C12.1 DS6.2 DS6.1
  POWER w1.2: v1(65.44,6.82) 65.44,5.24 64.24,4.04 22.87,4.04 21.66,2.84 21.66,0.66 J9.5
  BOTTOM w0.5: v2(72.68,14.37) v1(71.84,14.37)
VUSB: length 71.9
  TOP w0.2: v2(37.71,47.63) 37.48,47.63 37.05,48.07 J6.13
  TOP w0.3: C10.1 v2(14.47,27.49)
  TOP w0.4: J2.1 5.79,16.3 6.2,16.71
  TOP w0.6: DS5.2 14.47,22.02 C10.1
  TOP w1.6: DS4.2 DS5.2
  POWER w1.8: J9.1 11.5,4.93 4.8,11.63 4.8,15.71 v1(7.01,17.92) v1(7.01,20.01)
  BOTTOM w0.3: v2(37.71,47.63) 37.11,48.23 28.99,48.23 20.44,39.67 20.44,37.09 14.47,31.12 v2(14.47,27.49)
N16805399: length 10.4
  TOP w0.31: J7.1 25.41,49.86 arc(25.89,50.06) 26.09,50.54 26.09,50.73 arc(26.32,51.28) 26.87,51.5 30.54,51.5 arc(31.21,51.78) 31.49,52.46 31.49,53.31 arc(31.49,53.32) L3.1
N16810299: length 10.8
  TOP w0.31: ANT2.1 2.88,28.86 arc(3.07,28.39) 3.54,28.2 C24.1 9.26,28.2 arc(9.71,28.38) 9.9,28.84 9.9,30.07 arc(9.9,30.07) C21.2
N16811696: length 1.1
  TOP w0.31: C21.1 L5.2
N16811747: length 2.7
  TOP w0.23: U5.3 9.49,35.45 9.51,35.46
  TOP w0.31: J8.1 9.51,35.46
N16813049: length 1.7
  TOP w0.23: 9.89,34.24 U5.5
  TOP w0.31: 9.89,34.24 9.89,33.87 9.89,33.87 L5.1
N16816781: length 2.5
  TOP w0.2: R18.1 R22.2 U5.6
N16924472: length 8.3
  TOP w0.3: RR2.1 29.7,4.25 30.51,3.44 RR1.16
N16924474: length 7.3
  TOP w0.3: RR2.2 30.2,4.79 31.05,3.94 RR1.15
N16924476: length 6.3
  TOP w0.3: RR2.3 30.7,5.26 31.52,4.44 RR1.14
N16924478: length 5.4
  TOP w0.3: RR1.13 31.89,4.94 31.2,5.63 RR2.4
N16924480: length 4.4
  TOP w0.3: RR1.12 32.32,5.44 31.7,6.06 RR2.5
N16924482: length 3.5
  TOP w0.3: RR2.6 32.2,6.52 32.78,5.94 RR1.11
N16924484: length 2.5
  TOP w0.3: RR1.10 33.22,6.44 32.7,6.96 RR2.7
N16924486: length 1.5
  TOP w0.3: RR2.8 33.2,7.43 33.69,6.94 RR1.9
N17010587: length 47.9
  TOP w0.2: U4.6 37.2,10.03 37.22,10.06 37.22,10.26 37.27,10.31 37.27,10.59
  TOP w0.3: R13.1 v2(66.21,30.7) ; 37.27,10.59 37.27,12.31 51.74,26.78 v2(51.74,30.69)
  BOTTOM w0.3: v1(70.61,29.48) 67.43,29.48 v2(66.21,30.7) 51.78,30.7 51.77,30.69 v2(51.74,30.69)
N17010598: length 50.3
  TOP w0.2: U4.7 36.85,10.03 36.82,10.06 36.82,10.26 36.77,10.31 36.77,10.59
  TOP w0.3: v2(68.11,30.69) 68.1,30.7 R11.1 ; 36.77,10.59 36.77,12.57 51.13,26.93 v2(51.13,31.52)
  BOTTOM w0.3: v2(51.13,31.52) 67.28,31.52 v2(68.11,30.69) 68.41,30.39 69.7,30.39 70.61,31.29 v1(70.61,32.02)
N17096523: length 17.6
  TOP w0.25: R16.1 57.19,47.24 R12.2 57.25,46.89 58.06,46.08 C19.1 58.3,45.9 58.3,43.74 58.09,43.52 v2(58.09,43.5) 58.09,43.28 57.84,43.03 TVS2.6
  TOP w0.3: J5.7 v2(67.48,43.04)
  BOTTOM w0.3: v2(58.09,43.5) 58.12,43.5 58.57,43.04 v2(67.48,43.04)
N17096527: length 23.7
  TOP w0.25: 59.42,45.97 v2(59.35,46.04) ; v2(59.35,46.04) 59.35,47.39 58.86,47.89 C17.1 58.85,49.23 58.85,50.13 58.55,50.43 R15.2 ; v2(59.35,46.04) 59.35,45.45 58.77,44.87 58.77,42.74 58.56,42.53 TVS2.5
  TOP w0.3: J5.2 v2(70.42,45.58)
  BOTTOM w0.3: v2(59.35,46.04) 69.97,46.04 v2(70.42,45.58)
N17096550: length 18.9
  TOP w0.2: TVS2.1 55.86,43.03 56.64,43.82 57.5,43.82
  TOP w0.25: R14.2 57.01,45.4 C18.1 57.01,44.31 57.5,43.82 v2(57.5,43.77)
  TOP w0.3: J5.3 v2(70.46,43.14)
  BOTTOM w0.3: v2(57.5,43.77) 57.5,43.82 57.75,44.07 68.64,44.07 69.57,43.14 v2(70.46,43.14)
N17177038: length 48.8
  TOP w0.2: 37.77,10.59 37.77,10.24 37.62,10.09 37.62,9.96 37.55,9.89 U4.5
  TOP w0.25: Q2.3 70.51,30.56 v2(71.07,30.56) 71.09,30.55 R17.2
  TOP w0.3: 37.77,10.59 37.77,11.93 52.43,26.59 52.43,28.42 v2(52.45,28.43)
  BOTTOM w0.3: v2(52.45,28.43) 71.56,28.43 71.88,28.75 71.88,30.26 71.58,30.56 v2(71.07,30.56)
N17180171: length 10.8
  TOP w0.3: U2.2 20.27,30.2 19.96,30.51 v2(19.96,30.68)
  TOP w0.5: 23.67,29.93 L1.1 v2(26.39,29.93)
  BOTTOM w0.5: v2(19.96,30.68) 20.71,29.93 v2(26.39,29.93)
N17180221: length 0.1
  TOP w0.25: U1.A1 23.66,18.89
N17180308: length 1.3
  TOP w0.3: R4.2 18.36,27.66 U2.4
N17197331: length 2.4
  TOP w0.25: Q2.1 69.81,31.09 70.11,31.39 70.11,31.9 R24.1 R23.2 71.24,31.91
N17244572: length 8.1
  TOP w0.25: 61.36,19.34 61.36,19.34 U3.1
  TOP w1.4: DS5.1 15.33,17.3 17.43,19.41 v1(17.43,19.56)
  TOP w1.9: 59.93,18.71 59.01,19.63 v1(57.01,19.63)
N17244690: length 3.5
  TOP w0.25: R9.2 62.86,17.35 62.37,17.35 61.97,17.75 61.97,19.4 61.86,19.51 U3.2
N17244706: length 2.8
  TOP w0.25: R10.2 62.86,18.5 62.86,19.14 62.88,19.16 ; U3.5 63.36,19.64 62.88,19.16 ; 62.88,19.16 62.86,19.17 U3.4
N17244710: length 7.4
  TOP w0.25: 63.11,22.51 63.36,22.26 U3.6 ; 63.11,22.51 65.3,22.51 65.55,22.76 65.55,23.92 65.1,24.36 63.27,24.36 R8.1 ; 63.11,22.51 62.86,22.26 U3.7

## Copper pours and planes (outline as drawn; the poured copper is in the pictures)
+1V8 on TOP: 19.84,28.06 25.36,28.06 25.37,28.06 25.37,27.06 25.37,27.06 26.43,25.99 26.43,25.96 26.43,25.95 26.43,23.21 26.42,23.21 26.42,20.09 24.62,20.09 24.62,20.89 24.19,21.34 23.19,21.34 23.19,23.43 24.63,23.43 24.63,24.71 19.84,24.71 ; 1 cut-out
+3V3 on TOP: 20.75,29.09 20.75,30.55 20.6,30.69 20.6,33.1 21.79,34.28 24.17,34.28 24.17,33.28 21.85,30.96 21.1,30.21 21.1,29.09
GND on TOP: 0.5,53.1 74.5,53.1 74.5,49.08 74.1,49.08 74.1,42.08 74.5,42.08 74.5,20.9 67.5,20.9 67.5,17.7 74.5,17.7 74.5,8.96 70.84,8.96 70.84,5.88 74.5,5.88 74.5,5 73.33,1.97 70.42,0.52 70.42,8.93 70.18,8.93 70.18,9.29 65.32,9.29 65.32,8.93 65.3,8.93 65.3,0.5 28.39,0.5 28.39,2.15 28.2,2.15 28.27,2.22 28.27,2.26 28.34,2.33 28.34,2.44 28.33,2.45 28.02,2.45 27.72,2.15 27.71,2.15 27.71,0.5 25.77,0.5 25.77,2.15 25.76,2.16 25.47,2.45 25.47,2.16 25.39,2.16 25.39,2.14 25.29,2.14 25.29,0.5 9.29,0.5 9.29,7.45 4.52,7.45 4.52,0.53 1.65,1.99 0.5,5 0.5,9.24 0.98,9.24 0.98,20.19 0.5,20.19 0.5,31.45 1.85,31.45 1.85,29.6 2.05,29.6 2.05,31.45 3.6,31.45 3.6,30 3.8,30 3.8,40.55 3.6,40.55 3.6,38.85 0.5,38.85 ; 27 cut-outs
GND on TOP: 18.99,23.45 22.49,23.45 22.49,19.97 22.18,19.97 22.18,19.46 21.24,19.46 21.24,19.97 18.99,19.97
GND on TOP: 19.37,33.09 20.32,33.09 20.32,31.36 19.8,31.36 19.8,24.54 17.2,24.54 17.2,33.09 19.37,33.09
GND on GND: 0.5,53.1 74.5,53.1 74.5,20.9 67.5,20.9 67.5,17.7 74.5,17.7 74.5,5 73.18,1.82 70,0.5 69,0.5 69,2.4 67.03,2.4 67.03,2.45 65.49,2.45 65.49,2.4 63.7,2.4 63.7,0.5 28.31,0.5 28.31,2.15 27.71,2.15 27.71,0.5 25.78,0.5 25.78,2.16 25.77,2.16 25.48,2.45 25.08,2.45 25.08,2.38 25.3,2.16 25.38,2.16 25.38,0.5 10.73,0.5 10.73,2.45 6.69,2.45 6.69,0.5 5,0.5 1.82,1.82 0.5,5 0.5,29.75 3.91,29.75 3.91,40.55 0.5,40.55 ; 1 cut-out
VBAT on TOP: 59.64,26.86 59.64,24.94 60.6,23.98 60.6,22.88 61.23,22.25 61.23,21.75 61.48,21.75 61.48,22.25 62.02,23.48 62.68,23.83 62.67,24.05 62.67,25.18 63.06,25.57 63.06,26.86
VBAT on TOP: 13.53,8.82 16.95,8.82 16.95,4.09 15.01,2.15 15.01,0.5 13.07,0.5 13.07,8.36
